# KiCad board SBC.kicad_pcb (continued)
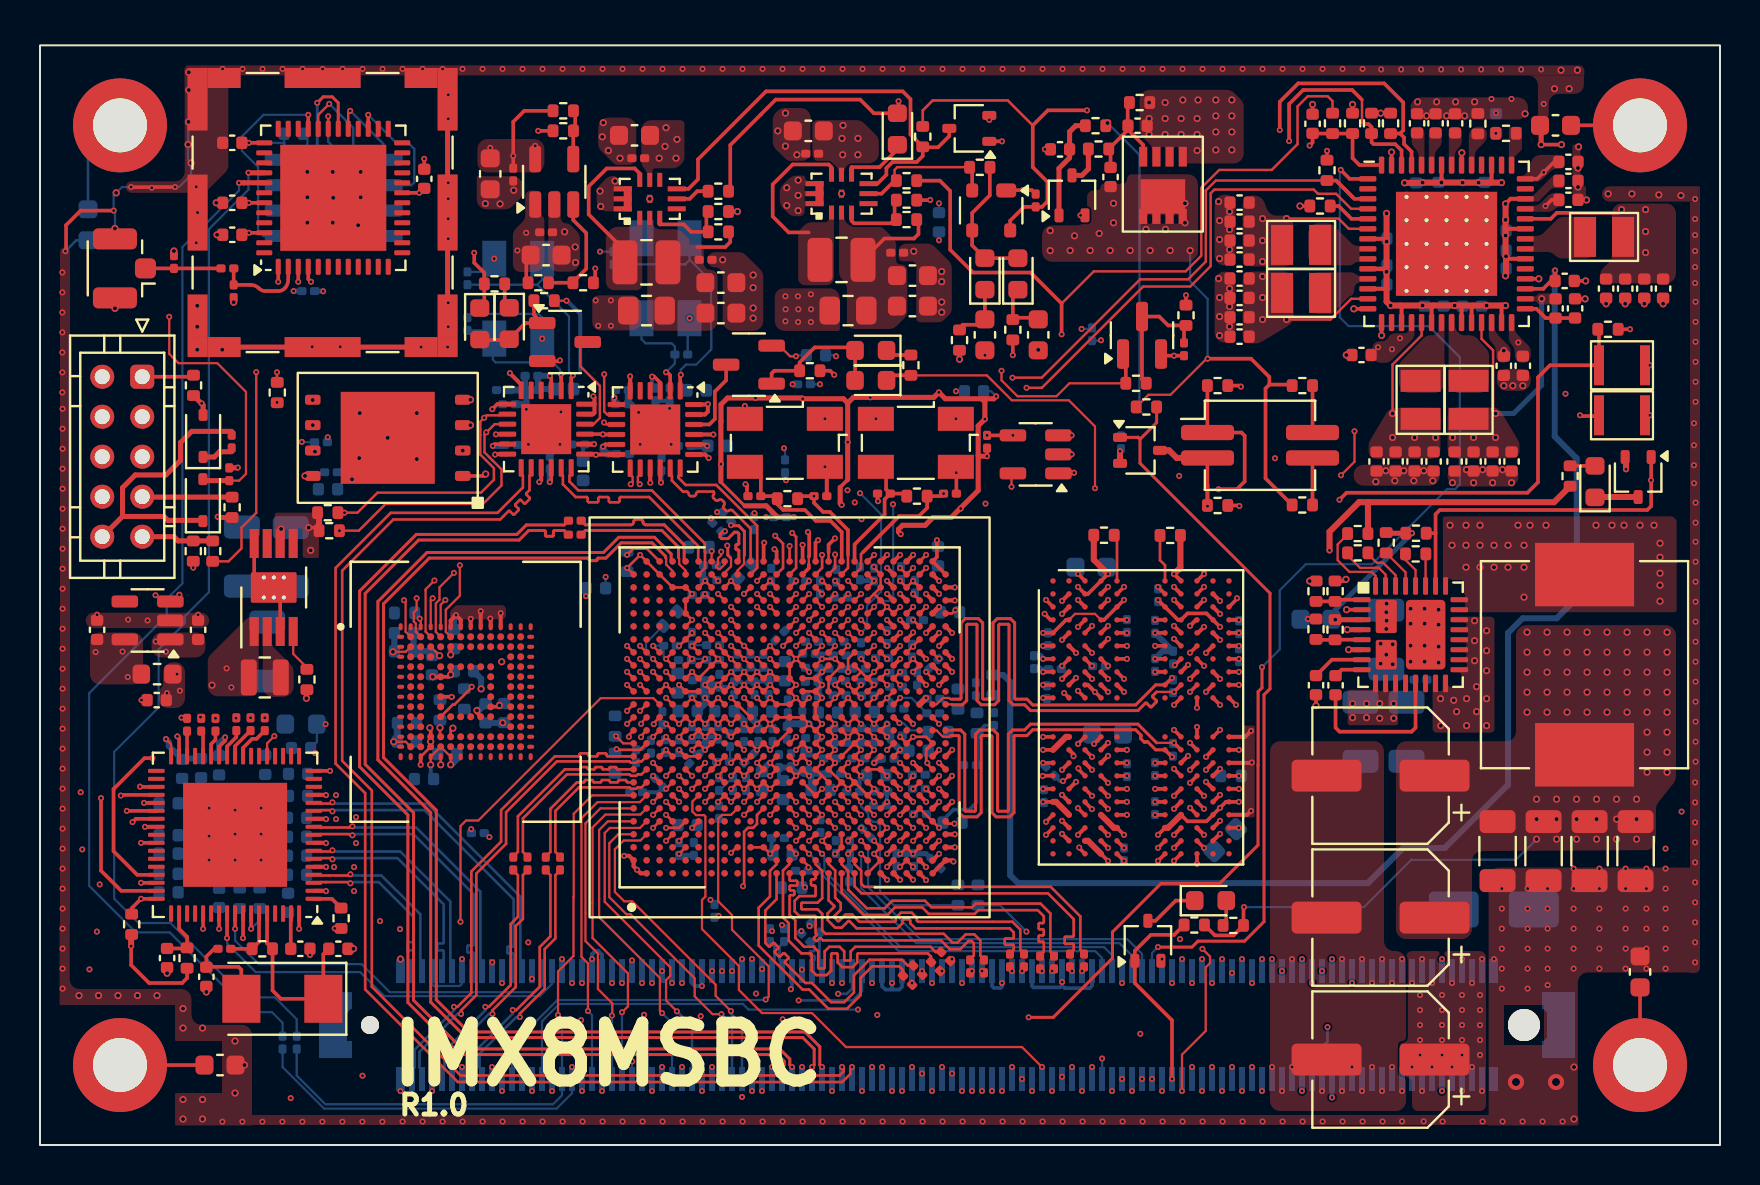
[diagram p0: board, top side]
## Nets (continued)
USB1_DN: J1.A36 U9.B14
USB1_DP: J1.A35 U9.A14
USB1_ID1: J1.A47 U9.C14
USB1_OC: J1.A45 U9.K6
USB1_PWR_EN: J1.A48 U9.L7
USB1_RX_N: C94.2 J1.A43
USB1_RX_P: C93.2 J1.A42
USB1_TX_N: C92.2 J1.A39
USB1_TX_P: C91.2 J1.A38
USB1_VBUS: J1.A46 U9.D14
USB2_DN: J1.B3 U9.B10
USB2_DP: J1.B2 U9.A10
USB2_ID1: J1.B13 U9.C9
USB2_OC: J1.B12 U9.J6
USB2_PWR_EN: J1.B15 U9.K7
USB2_RX_N: C100.2 J1.B9
USB2_RX_P: C99.2 J1.B8
USB2_TX_N: C98.2 J1.B6
USB2_TX_P: C97.2 J1.B5
USB2_VBUS: J1.B14 U9.D9
Net-(C17-Pad2): C17.2 U2.13
Net-(C57-Pad2): C57.2 C64.2 Q2.4 R16.2 R18.1
Net-(C288-Pad1): C288.1 H1.1
Net-(C289-Pad1): C289.1 H2.1
Net-(C290-Pad1): C290.1 H3.1
Net-(C291-Pad1): C291.1 H4.1
Net-(C328-Pad1): C328.1 R110.2 Y5.2
Net-(D2-K): D2.1 U7.7
Net-(D3-K): C81.2 D3.1 R32.1
Net-(D4-K): C82.2 D4.1 R33.1
Net-(D5-A): D5.2 R76.2
Net-(D5-K): D5.1 Q5.3
Net-(D6-A): D6.2 R77.2
Net-(D6-K): D6.1 Q6.3
Net-(D7-A): D7.2 D8.2 Q8.1 R85.2
Net-(D9-K): D9.1 J2.10 R89.2
Net-(D10-K): D10.1 R89.1
Net-(D11-A): D11.2 D12.2 Q9.1 R95.2
Net-(J2-Pin_1): J2.1 R91.2
Net-(J2-Pin_7): J2.7 R92.2
Net-(J2-Pin_9): J2.9 R93.2 R94.2
Net-(J3-In): C314.1 J3.1 L10.2
Net-(L6-Pad1): L6.1 U2.23 U2.24 U2.25 U2.P3
Net-(L8-Pad1): L8.1 U5.1 U5.9
Net-(L9-Pad1): L9.1 U7.1 U7.9
Net-(Q1-D): Q1.3 R18.2
Net-(Q1-G): C58.1 Q1.1 R17.2
Net-(R6-Pad1): R6.1 U2.30
Net-(R8-Pad2): R8.2 U2.28
Net-(R79-Pad2): R79.2 SW3.4
Net-(R81-Pad2): R81.2 SW3.3
Net-(U1A-SW1ALX): L1.1 U1.8 U1.9
Net-(U1A-SW1CLX): L2.1 U1.11
Net-(U1A-SW2LX): L3.1 U1.22
Net-(U1A-SW3ALX): L4.1 U1.35 U1.36
Net-(U1A-SW4LX): L5.1 U1.21
Net-(U1B-VHALF): C18.2 C19.1 U1.29
Net-(U1B-VSNVS): R42.2 U1.43
Net-(U1C-ICTEST): R12.2 U1.5
Net-(U1C-VCORE): C26.2 U1.49
Net-(U1C-VCOREDIG): C24.2 U1.51
Net-(U1C-VCOREREF): C25.2 U1.52
Net-(U1C-VDDOTP): R10.1 U1.47
Net-(U2-BST): C17.1 U2.8
Net-(U2-EN/PSV): R7.2 U2.29
Net-(U2-ENL): R5.2 U2.32
Net-(U2-FB): R3.1 R4.1 U2.1
Net-(U2-FBL): R1.1 R2.1 U2.5
Net-(U2-ILIM): R8.1 U2.27
Net-(U2-SS): C1.1 U2.7
Net-(U2-TON): R6.2 U2.31
Net-(U4-ADJ): R23.2 R24.2 U4.4
Net-(U4-EN): R19.1 R20.1 U4.3
Net-(U5-EN): R22.2 U5.5
Net-(U5-FB): R26.2 R27.1 U5.3
Net-(U5-OUT): C75.1 C76.1 C78.1 L8.2 R26.1 SH1.1 U5.2
Net-(U6-SW): L7.1 U6.2
Net-(U6-VSET): R21.1 U6.4
Net-(U7-FB): R30.2 R31.1 U7.3
Net-(U7-OUT): C83.1 C84.1 C86.1 L9.2 R30.1 SH2.1 U7.2
Net-(U9A-MIPI_VDD1): FB1.1 U9.E15 U9.F15
Net-(U9B-ZQ_): R35.1 U9.AA13
Net-(U9H-JTAG_MOD): R63.1 U9.U7
Net-(U9H-TEST_MODE): R62.1 U9.V7
Net-(U9J-HDMI_REXT): R41.1 U9.P1
Net-(U9K-PCIE1_RESREF): R36.1 U9.G25
Net-(U9K-PCIE2_RESREF): R38.1 U9.C25
Net-(U9L-MIPI_DSI_REXT): R40.1 U9.C17
Net-(U9M-USB1_RESREF): R37.2 U9.A11
Net-(U9M-USB2_RESREF): R39.2 U9.B11
Net-(U11-VDD): C212.1 R60.2 R61.2 U11.3
Net-(U12A-ODT_CA_A): R66.1 U12.G2
Net-(U12A-ODT_CA_B): R67.1 U12.T2
Net-(U12A-ZQ0): R68.1 U12.A5
Net-(U12A-ZQ1): R69.1 U12.A8
Net-(U13-VDDI): C277.1 C279.1 U13.C2
Net-(U15-VDD1.8_1): C294.1 C295.1 FB3.2 U15.11 U15.20
Net-(U15-VDDA1.8): C297.1 C299.1 C300.1 FB4.2 U15.3 U15.16
Net-(U16-VDD1.8_1): C303.1 C304.1 FB5.2 U16.11 U16.20
Net-(U16-VDDA1.8): C306.1 C308.1 C309.1 FB6.2 U16.3 U16.16
Net-(U17-REF_FILT): C310.2 U17.67
Net-(U17-REF_REXT): R96.1 U17.1
Net-(U17-REFCLK_SEL_0): R97.1 U17.62
Net-(U17-REFCLK_SEL_1): R98.1 U17.61
Net-(U17-RX_CLK): R101.2 U17.32
Net-(U17-RX_DV/RX_CTL): R102.2 U17.30
Net-(U17-RXD0): R103.2 U17.29
Net-(U17-RXD1): R104.2 U17.27
Net-(U17-RXD2): R105.2 U17.26
Net-(U17-RXD3): R106.2 U17.25

Pads without a net: J1 221 221.1 221.2 222 222.1 222.2; U1 2 16 33 41 44 46; U2 12 14; U3 4; U5 4 7; U6 7; U7 4; U9 A3 A19 A20 A21 A22 A23 AA12 AB10 AB12 AB14 AB15 AB16 AC10 AC11 AC12 AC13 AC15 AD15 AE11 AE13 AE15 B2 B3 B19 B20 B21 B22 B23 B24 C1 C2 C3 C4 C19 C20 C21 C22 C23 D1 D2 D3 D19 D20 D21 D22 E1 E2 E6 F1 F2 F3 F4 F6 F20 F21 G1 G2 G3 G4 G5 G6 G21 H1 H2 H3 H4 H5 H6 H11 H20 H21 J1 J2 J4 J5 J22 K1 K2 K4 K5 K19 K20 K21 K22 L1 L2 L4 L5 L19 L20 M4 M5 M19 M20 N4; U12 A1 A2 A11 A12 AA1 AA12 AB1 AB2 AB11 AB12 B1 B12 G11 K5 K8 N5 N8; U13 A1 A2 A12 A13 A14 B1 B7 B8 B9 B10 B11 B12 B13 B14 C1 C3 C5 C7 C8 C9 C10 C11 C12 C13 C14 D1 D2 D3 D4 D12 D13 D14 E1 E2 E3 E5 E7 E8 E9 E10 E12 E13 E14 F1 F2 F3 F10 F12 F13 F14 G1 G2 G3 G5 G10 G12 G13 G14 H1 H2 H3 H10 H12 H13 H14 J1 J2 J3 J5 J12 J13 J14 K1 K2 K3 K6 K7 K8 K10 K12 K13 K14 L1 L2 L3 L12 L13 L14 M1 M2 M3 M7 M8 M9 M10 M11 M12 M13 M14 N1 N3 N6 N7 N8 N9 N10 N11 N12 N13 N14 P1 P2 P7 P8 P9 P10 P11 P12 P13 P14; U15 4 5; U16 4 5; U17 15 16 18 19 20 21 23 24 31 35 36 43 45 46 47 52 54 55 57 65 66; U19 5 6 7 8 9 10 11 12 13 14 15 16 17 18 20 21 22 23 24 25 26 28 34 35 36 38 39 42 44 45 47 48

## Via types
v1: diameter 0.3, hole 0.15, T to B, 1416 vias
v2: diameter 0.36, hole 0.2, T to B, 423 vias
v3: diameter 0.8, hole 0.4, T to B, 2 vias

## Routing (per net, layer and track width the routed paths; a pad name or vN(x,y) marks a point on that pad's centre or on a via; arc(x,y) is an arc through that point)
3.3V_SW: length 72.8
  T w0.13: 49.64,51 48.39,52.25 44.63,52.25 44.14,51.75 R25.1 ; 41.38,24.64 v1(41.7,24.96)
  T w0.18: v1(48.65,35.49) v1(47.35,35.49) ; U8.4 48.51,46.23 49.2,46.92 C80.1 50.1,46.92 50.37,47.2 50.37,48.17 49.64,48.91 49.64,51 50.39,51.75 v1(52.35,51.75) ; R58.1 v1(64.35,49.73) ; R60.1 v1(57.3,42.5) ; v1(60.2,11.9) 60.17,11.87 R77.1 59.67,10.48 58.75,10.48 R78.1 ; R11.2 v2(65.63,52.05) ; R59.1 v1(79.5,40.8) ; U2.2 v2(65.33,26.77)
  T w0.2: U1.45 72.58,48.14 72.57,48.14 ; U1.7 67.27,45.32 67.33,45.39 ; 67.33,42.86 67.3,42.82 U1.12 ; U1.50 70.08,48.15 v2(70.07,48.14) ; U1.37 73.31,45.82 73.28,45.8 ; v2(73.28,47.07) 73.53,47.32 U1.40 ; v2(67.33,43.67) 67.18,43.82 U1.10 67.23,43.82 67.33,43.93 ; 73.3,44.23 73.4,44.32 U1.34 ; U1.24 71.58,41.93 71.63,41.99 ; 68.01,41.99 68.08,41.92 U1.17 ; 73.04,41.99 73.08,41.95 U1.27 ; U1.20 69.58,41.91 69.65,41.99 ; U1.23 71.08,41.95 71.04,41.99
  T w0.3: v2(67.33,46.6) v2(67.33,45.19) v2(67.33,43.67) 67.33,42.19 v2(67.53,41.99) 69.12,41.99 v2(69.13,41.99) 70.72,41.99 v2(70.73,41.99) v2(72.33,41.99) v2(73.28,41.99) 73.28,41.99 ; v2(68.23,48.12) 69.12,48.12 v2(69.13,48.14) 70.07,48.14 v2(70.07,48.14) 71.12,48.14 v2(71.13,48.14) v2(71.93,48.14) v2(73.08,48.14) ; v2(73.28,43.47) 73.3,43.5 v2(73.3,44.45) 73.28,44.47 v2(73.28,45.49) v2(73.28,46.27) v2(73.28,47.07)
  B w0.11: v2(74.83,15.3) 73.8,14.27 68.57,14.27 66.2,11.9 v1(60.2,11.9)
  vias: v2(55.46,52.14) v2(55.46,51.34) v2(55.46,50.54) v2(56.26,52.14) v2(56.26,51.34) v2(56.26,50.54) v2(57.06,51.34) v2(57.06,50.54) v2(57.14,52.27) v2(57.86,51.34) v2(57.86,50.54) v2(57.86,49.74) v2(57.9,52.27) v2(58.79,52.27) v2(58.79,51.47) v2(58.79,50.67) v2(58.79,49.77) v2(59.59,52.27) v2(59.59,51.47) v2(59.59,50.67) v2(59.59,49.77) v2(63.48,28.21) v2(74.35,25.65) v2(74.35,24.65) v2(74.35,23.65) v2(74.35,22.65) v2(74.35,21.65) v2(74.83,17.3) v2(74.83,16.3) v2(75.35,25.65) v2(75.35,24.65) v2(75.35,23.65) v2(75.35,22.65) v2(75.35,21.65) v2(75.83,17.3) v2(75.83,16.3) v2(75.83,15.3) v2(76.35,25.65) v2(76.35,24.65) v2(76.35,23.65) v2(76.35,22.65) v2(76.35,21.65) v2(76.83,17.3) v2(76.83,16.3) v2(76.83,15.3) v2(77.35,25.65) v2(77.35,24.65) v2(77.35,23.65) v2(77.35,22.65) v2(77.35,21.65) v2(77.83,17.3) v2(77.83,16.3) v2(77.83,15.3) v2(78.35,25.65) v2(78.35,24.65) v2(78.35,23.65) v2(78.35,22.65) v2(78.35,21.65) v2(78.83,17.3) v2(78.83,16.3) v2(78.83,15.3) v2(79.35,25.65) v2(79.35,24.65) v2(79.35,23.65) v2(79.35,22.65) v2(79.35,21.65) v2(79.83,17.3) v2(79.83,16.3) v2(79.83,15.3) v2(80.35,25.65) v2(80.35,24.65) v2(80.35,23.65) v2(80.35,22.65) v2(80.35,21.65) v2(80.35,20.65) v2(80.35,19.65) v2(80.35,18.65) v2(81.35,25.65) v2(81.35,24.65) v2(81.35,23.65) v2(81.35,22.65) v2(81.35,21.65) v2(81.35,20.65) v2(81.35,19.65) v2(81.35,18.65)
3.3V_SW_DELAYED: length 56.6
  T w0.11: v1(58.38,39.33) 58.33,39.33 56.52,37.53 55.42,37.53 R84.1 ; v1(10.45,45.63) 10.19,45.63 ; v1(10.45,47.13) C317.1
  T w0.13: U9.F5 v1(32.6,15.86) ; 41.38,15.54 v1(41.05,15.86) ; U9.R5 v1(39.1,16.51) U9.R6 ; U9.E3 v1(31.95,14.56) ; U9.M3 36.51,14.57 v1(36.5,14.57) 36.5,14.57 U9.L3 U9.K3 ; 34.88,17.49 v1(34.55,17.16) U9.H7 v1(33.9,17.16) ; U9.L18 v1(36.5,24.96) U9.M18 ; U9.D8 v1(31.3,17.81)
  T w0.18: 24.31,43.13 24.31,44.3 ; v2(19.63,23.42) U13.F5 20.43,23.42 v2(20.53,23.52) U13.E6 ; v1(10.45,45.63) U19.46 ; v1(12.91,43.18) U19.3 ; U1.55 v2(67.58,49.66) ; 61.47,38.03 61.47,38.41 60.55,39.33 v1(58.38,39.33) ; 61.47,38.03 61.28,37.84 61.28,33.34 R81.1 ; 61.47,38.03 62.56,38.03 ; R14.1 R15.1 ; C312.1 v1(10.45,50.13) U19.37 ; U19.4 13.41,43.32 v1(13.55,43.18) ; U19.19 v1(18.96,47.63) 18.99,47.63 C315.1 ; v2(13.43,30.88) 13.95,30.88 ; v1(4.56,9.95) 4.56,9 5.45,8.1 7.1,8.1 7.35,8.35 R107.1 ; v1(10.45,47.13) U19.43 ; U13.J10 22.9,21.92 v2(22.97,21.99) ; v1(11.91,43.18) U19.1 ; v2(21.85,21.73) 21.85,21.62 22.03,21.44
  T w0.25: R91.1 8.15,37.01 D10.2
  T w0.3: v1(4.56,9.95) 4.56,10.5 ; R87.1 13.95,31.55
  B w0.11: v1(58.38,39.33) 58.38,42.32 57.51,43.19 v2(57.51,44.74) ; U18.8 12.21,50.13 v1(10.45,50.13) ; 36.77,25.23 v1(36.5,24.96) ; 12.21,50.57 12.21,49.3 ; C138.1 14.37,35.38 v1(14.39,35.4) ; v1(22.47,15.4) 22.41,15.4 C144.1
  B w0.2: C128.1 36.58,14.59 ; C143.1 30.92,17.64 C137.1
  B w0.25: v1(31.95,14.56) 32.03,14.49 C129.1 ; v1(14.16,42.7) 14.15,42.71 C145.1
  B w0.3: C285.1 21.94,21.73 v2(21.85,21.73)
  vias: v1(5.78,27.5) v1(5.78,25.18) v1(6.29,24.68) v1(6.97,27.52) v1(8.08,37.1) v1(23.87,44.74) v1(24.31,45.63) v2(12.05,30.81) v2(13.25,33.47) v2(13.53,29.75) v2(30.49,47.33) v2(30.96,49.36) v2(31.25,49.95) v2(31.3,50.88) v2(31.85,50.3) v2(31.8,49.36) v2(40.08,47.58) v2(40.15,51) v2(40.1,50.35) v2(40.13,49.53) v2(40.9,50.35) v2(40.89,49.53) v2(50.51,45.73) v2(50.51,44.73) v2(51.51,44.74) v2(51.73,45.48) v2(52.51,44.74) v2(52.96,45.59) v2(53.51,44.74) v2(53.68,47.1) v2(53.68,46.13) v2(54.51,44.74) v2(55.3,45.8) v2(55.51,44.74) v2(56.27,45.8) v2(56.51,44.74) v2(57.25,47.1) v2(57.25,46.13) v2(67.04,51.61)
/IO/VDD1A: length 2
  T w0.18: U17.68 v1(12.95,10.81)
  T w0.2: v1(14.3,17.5) 14.29,17.51 U17.14 ; v1(14.3,13.91) 14.3,13.91 U17.5
  vias: v1(6.35,22.6) v1(6.85,23.55) v1(7,22.72)
/IO/VDDMDIO: length 0.8
  T w0.18: U17.49 v1(5.05,13.11)
/MPU/VDDA_0P9: length 1.8
  T w0.13: U9.V18 40.41,24.32 v1(40.41,23.67)
  B w0.2: v1(40.41,23.67) 40.38,23.69
  B w0.3: 40.59,23.85 v1(40.41,23.67) 40.25,23.82 FB2.1
GND: length 356
  T w0.11: 36.97,39.98 37.5,39.45 v1(37.8,39.45) ; v2(19.53,19.02) U13.P4 U13.N5 U13.P6 v2(20.53,19.02) ; U9.Y23 U9.Y24 ; 44.35,19.86 44.31,19.82 44.31,19.17 ; v2(17.69,20.17) 18.28,20.17 U13.N2 ; U12.D2 51.75,26.57 52.75,26.57 U12.D4 ; U13.C4 v2(19.98,24.47)
  T w0.13: v1(43,20.41) U9.AB11 v1(43.65,20.41) 44.3,20.41 U9.AD11 44.31,19.77 44.31,19.17 v1(44.37,19.11) 44.37,19.05 U9.AD9 ; v1(34.55,25.61) v1(35.2,24.96) U9.K18 ; v1(43,28.86) U9.AB24 v1(43.65,28.86) ; 41.38,13.59 U9.Y2 v1(41.7,14.56) U9.Y3 v1(41.7,15.21) ; U9.T14 v1(39.75,22.36) U9.U15 v1(39.75,23.01) U9.U16 ; U9.N12 U9.M11 v1(36.5,19.76) U9.L11 v1(35.85,19.76) U9.K11 ; U9.K17 v1(35.2,24.31) v1(34.55,24.96) ; 41.38,19.44 v1(41.7,19.76) 41.38,20.09 ; 41.38,29.19 v1(41.7,29.51) ; v1(45.77,26.76) 45.6,26.59 U9.AE21 ; U9.U8 U9.T9 v1(39.75,19.11) U9.T10 v1(39.75,19.76) U9.T11 v1(39.75,20.41) U9.T12 v1(39.75,21.06) U9.T13 ; U9.U8 v1(40.4,17.81) U9.V8 ; U9.U8 v1(39.75,17.81) ; v1(43,26.91) U9.AA21 v1(42.35,26.91) ; U9.N3 v1(37.8,14.56) ; U9.G24 v1(33.9,28.21) ; 34.88,21.39 v1(34.55,21.06) U9.H13 v1(33.9,21.06) U9.G13 v1(33.25,21.06) U9.F13 v1(32.6,21.06) U9.E13 v1(31.95,21.06) U9.D13 ; v1(39.1,17.81) U9.R7 U9.P8 ; U9.A24 v1(29.35,28.86) v1(30,29.51) U9.B25 U9.C24 U9.D23 U9.E23 v1(32.6,27.56) U9.E22 U9.E21 v1(32.6,26.26) U9.E20 ; 41.38,17.49 v1(41.7,17.16) ; 41.38,17.49 v1(41.7,17.81) ; 41.38,17.49 U9.V8 ; U9.C15 v1(31.3,23.01) U9.D15 ; v1(43,23.66) U9.AA16 v1(43,23.01) ; v1(41.7,17.81) 41.38,18.14 ; v1(41.7,17.81) U9.Y7 ; U9.C10 v1(31.3,19.76) U9.D10 ; U9.E14 v1(32.6,22.36) U9.F14 ; U9.V8 v1(40.4,18.46) U9.U9 v1(40.4,19.11) ; 41.38,23.34 v1(41.7,23.01) 41.38,22.69 ; 41.38,23.34 v1(41.7,23.66) U9.Y17 v1(41.7,24.31) ; 41.38,23.34 41.05,23.66 ; U9.T3 v1(39.1,15.21) U9.T4 ; v1(37.8,22.36) U9.P14 v1(38.45,22.36) ; v1(37.8,22.36) U9.N15 v1(37.8,23.01) U9.N16 U9.N17 v1(37.8,24.31) ; v1(37.8,22.36) U9.N14 U9.M14 v1(36.5,22.36) U9.L14 v1(35.85,22.36) ; v1(33.9,19.11) U9.G9 v1(33.25,18.46) ; v1(33.9,19.11) U9.G10 ; v1(33.9,19.11) U9.H10 ; U9.V23 v1(40.4,28.21) ; v1(42.35,26.91) U9.Y22 41.7,27.56 ; v1(42.35,26.91) U9.Y21 ; v1(38.45,23.66) U9.P17 v1(37.8,24.31) ; U9.AD13 v1(44.95,21.06) ; U9.AB9 v1(43,19.11) ; v1(38.45,19.76) U9.P11 v1(37.8,19.76) ; U9.V4 v1(40.4,15.21) ; 41.7,27.56 U9.Y23 ; 41.7,27.56 41.38,27.24 ; 34.83,14.89 v1(34.55,14.61) ; v1(33.9,24.31) U9.G18 ; v1(33.9,24.31) U9.H17 ; v1(33.9,24.31) U9.G17 U9.F16 v1(32.6,23.66) U9.E16 ; U9.AC4 v1(43.65,15.21) ; U9.Y24 41.69,28.88 v1(41.69,28.92) ; v1(30.69,21.05) 30.69,21.1 U9.C13 ; U9.K13 v1(34.55,22.36) ; v1(43,13.91) U9.AB2 v1(43.65,13.91) ; U9.L17 v1(35.85,24.31) ; 41.05,23.66 U9.V17 ; 41.05,23.66 U9.V16 ; U9.Y13 v1(41.7,21.06) 41.38,21.39 ; v1(11.85,38.65) 11.85,38.16 ; v1(34.55,17.81) 34.88,18.14 v1(35.2,17.81) U9.K8 v1(35.85,17.81) U9.L8 v1(36.5,17.81) U9.M8 ; U9.K23 35.21,27.57 v1(35.2,27.57) ; U9.AA5 v1(43,15.86) ; U9.AE5 45.39,16.08 v1(45.72,16.08) ; 41.38,20.74 v1(41.7,20.41) U9.Y11 ; U9.AD16 v1(44.3,23.66) ; 41.38,18.79 U9.Y9 v1(42.35,18.46) ; U9.Y19 v1(42.35,24.96) ; v1(37.8,24.31) U9.N18 ; v1(37.8,24.31) U9.P18 v1(38.45,24.96) ; U9.H9 v1(33.9,18.46) U9.H8 ; U9.U18 v1(40.4,24.96) ; U9.P6 v1(38.45,16.51) ; U9.Y5 v1(42.35,15.86) U9.Y4 ; U9.Y15 v1(41.7,22.36) 41.38,22.04 ; v1(32.6,25.61) U9.E19 v1(31.95,24.96) ; 34.88,20.74 v1(34.55,20.41) U9.H12 ; U9.C8 v1(30.65,18.46) ; U9.AD7 v1(44.3,17.81) ; U9.E4 v1(31.95,15.21) ; U9.M17 v1(36.5,24.31) ; v1(31.95,19.76) U9.E10 U9.F10 ; v1(33.9,24.96) U9.H18 v1(34.55,24.31) 34.88,23.99 ; U9.AB18 43.61,24.93 v1(43.65,24.93) 43.65,24.96 U9.AC19 ; U9.P23 v1(38.45,28.21) ; 34.88,20.09 v1(35.2,19.76) ; U9.AC22 v1(43.65,27.56)
  T w0.15: 34.04,33.18 34.04,33.16 35.23,31.97 35.25,31.97
  T w0.18: U12.K2 v1(51.21,22.61) ; U12.C1 v1(50.3,27.26) ; U12.C12 59.85,27.31 v1(59.85,27.35) ; v1(6.75,47.91) v1(4.55,47.91) ; 50.64,18.48 50.23,18.48 50.22,18.46 v1(50.13,18.46) ; C149.2 41.88,32.22 v1(41.9,32.2) ; U12.T10 v1(57.5,18.11) ; 48.32,47.76 v1(49.15,47.76) 49.59,47.76 C80.2 ; v2(76.07,50.04) v2(75.06,50.04) ; U12.AB5 v1(54.2,14.21) ; U12.A3 v1(51.9,28.56) ; R12.1 v2(63,46.97) ; 25.56,50.73 v1(24.91,50.73) ; U12.J10 v1(57.5,22.66) ; U12.Y12 v1(59.94,15.86) ; v1(44.51,47.27) 44.5,47.26 43.92,47.26 ; v1(35.24,36.97) Y1.2 ; v1(50.16,25.61) U12.E1 51.3,26.26 U12.D2 ; v1(35.27,33.05) 35.35,32.98 35.35,32.5 ; 40.01,32.9 40.38,33.28 ; U12.K9 v1(56.7,22.01) ; U1.48 71.08,49.61 v2(71.09,49.62) ; v1(51.96,14.88) 51.96,14.85 U12.AB3 ; C315.2 v1(19.21,49.33) ; v2(65.3,28.29) 65.22,28.21 R3.2 ; v1(9.13,53.82) 9.15,53.81 ; U12.V5 v1(54.34,17.16) ; U12.G8 v1(55.76,24.31) ; 7.56,49.11 v2(7.55,49.11) ; v1(52.75,22.66) 52.75,22.66 U12.K4 ; U12.E5 v1(54.34,25.61) ; U9.AE24 U9.AD25 44.85,29.41 v1(44.85,30.25) ; C212.2 56.13,39.48 ; U12.P10 v1(57.5,20.11) ; U12.G3 v1(52.6,23.96) ; R82.2 59.94,31.99 v1(59.97,31.96) ; U12.G10 v1(58.2,23.96) ; U12.D4 53.2,26.26 U12.C5 v1(54.2,27.26) ; U16.21 28.13,35.56 v1(28.14,35.55) ; 12.01,27.56 U6.3 ; U12.Y1 v1(50.3,15.51) ; v1(55.9,27.26) U12.C8 56.9,26.26 U12.D9 57.38,26.59 58.32,26.59 U12.D11 v1(59,25.91) ; v1(60.05,37.93) 59.99,37.98 R80.2 ; U12.G5 v1(54.34,24.31) ; U1.15 v2(67.08,40.49) ; U6.8 10.71,27.86 ; v1(3.68,46.74) 2.03,46.74 1.3,46.01 1.3,44.74 v1(1.27,44.7) ; U12.P3 v1(52.6,19.41) ; U12.J1 v1(50.16,23.01) ; U12.N9 v1(56.7,20.76) ; U12.T5 v1(54.34,18.46) ; U12.W9 57.38,16.19 58.32,16.19 U12.W11 v1(59,16.86) 59.3,17.16 U12.V12 v1(59.94,17.16) ; 24.74,39.2 25.94,39.2 25.98,39.24 v1(26,39.24) ; C62.2 v2(77.28,43.22) ; U12.Y8 v1(55.9,15.51) ; U12.V1 v1(50.16,17.16) ; U1.32 v2(74.94,43.32) ; U12.T3 51.96,18.75 51.96,18.8 v1(51.92,18.84) ; U12.AB8 v1(55.9,14.21) ; U12.E8 v1(55.76,25.61) ; U12.G12 v1(59.94,24.31) ; U12.Y5 v1(54.2,15.51) ; v2(77.25,42.32) 76.76,42.32 ; U12.P1 v1(50.16,19.76) ; U12.J12 v1(59.94,23.01) ; C1.2 v2(63.8,21.98) ; U12.A10 v1(58.2,28.56) ; U12.N11 v1(59,20.76) ; U12.G1 v1(50.16,24.31) ; C163.2 45.82,33.9 ; U12.T8 v1(55.76,18.46) ; C150.2 47.35,34.45 v1(47.35,34.45) ; U12.E12 v1(59.94,25.61) ; U12.P12 v1(59.94,19.76) ; U1.14 v2(65.69,41.82) ; U12.AB10 v1(57.85,14.07) ; U9.AD11 44.4,19.86 ; U12.V8 v1(55.76,17.16) ; U17.56 v1(8.15,10.81) ; U12.T12 v1(59.94,18.46) ; v2(77.33,47.27) 76.91,47.27 ; C49.2 v2(63.63,52.05) ; U12.N4 v1(52.7,20.06) ; U12.K11 v1(59,22.01)
  T w0.2: U16.12 22.77,34.56 v1(22.75,34.54) ; U13.A10 22.53,26.31 v1(22.52,26.33) ; U13.A9 v1(22.03,26.7) ; U15.24 33.38,37.04 v1(33.39,37.06) 33.39,36.69 33.25,36.54 U15.23 ; v1(33.43,34.37) 33.26,34.54 U15.19 ; U16.10 22.8,35.56 v1(22.79,35.55) ; v1(28.14,35.55) 28.15,35.54 U15.10 ; U12.J3 52.4,23.01 v1(52.75,22.66) ; v1(24.96,33.17) 25.06,33.26 U16.15 ; v1(45.67,14.18) 45.61,14.24 U9.AE2 U9.AD1 ; U15.6 29.51,38.44 v1(29.5,38.45) ; 24.06,38.04 v1(23.49,38.61) ; v1(29.2,14.46) 29.45,14.46 U9.A2 29.68,13.94 v1(29.85,13.76) 30.03,13.59 U9.B1 ; U16.23 27.65,36.56 27.72,36.62 27.72,37.06 ; 27.72,37.06 27.72,37.39 v1(27.66,37.45) ; 27.72,37.06 U16.24 ; U13.A8 v1(21.53,26.32) ; U15.15 30.51,33.13 v1(30.51,33.13) ; C160.2 39.34,33.82 ; U13.A7 21.03,26.27 v1(20.8,26.5) 20.53,26.23 U13.A6 ; v1(33.67,35.54) 33.67,35.54 U15.21 ; U15.12 27.81,34.54 v1(27.79,34.53) 27.76,34.56 U16.19 ; U13.A11 v1(23.03,26.6)
  T w0.25: C173.2 9.88,33.87 v1(9.89,33.88) ; 41.38,37.4 44.7,37.4 44.94,37.64 v1(44.94,37.65) 44.94,37.65 45.26,37.33 47.08,37.33 ; 41.38,37.4 40.67,37.4 40.38,37.11 ; 41.38,37.4 v1(41.51,37.4) ; v2(13.32,22.34) 13.32,22.75 ; 35.25,31.97 36.31,31.97 36.88,31.4 v1(37.7,31.4) ; 40.38,37.11 40.17,37.33 v1(38.13,37.33) 38.09,37.37 v1(35.77,37.37) 34.37,37.37 34.05,37.04 34.05,36.19 34.04,36.18 v1(34.04,34.06) 34.04,33.18 ; 40.38,37.11 v1(40.38,35.16) 40.38,33.28 ; v1(8.88,31.43) 8.92,31.39 R92.1 ; v1(47.81,37.45) 47.69,37.33 47.08,37.33 ; 15.03,39.91 v1(19.05,39.91) ; 47.08,37.33 47.24,37.17 v1(47.24,36.31) 46.91,35.97 46.91,34.49 ; 46.91,34.49 46.95,34.45 v1(47.35,34.45) ; 46.91,34.49 46.91,32.74 45.55,31.39 44.64,31.39 44.25,31 43.12,31 42.92,30.8 42.92,30.67 v1(43.03,30.56) ; v2(45.97,39.3) R33.2 ; v2(34.87,46.69) R27.2 ; v1(40.08,32.02) 40.01,32.09 40.01,32.9 ; v1(63.39,26.31) R2.2 ; 20.38,48.16 J4.1 ; 13.6,39.91 J4.1 ; U2.4 65.36,25.77 v2(65.36,25.78) ; J4.1 J4.1 ; v1(51.7,33.63) 50.95,33.63 ; v2(75.06,50.04) 75.06,50.94
  T w0.3: Q7.2 v1(54,34.7) ; U12.P1 51.3,20.41 U12.N2 ; U12.W9 56.4,15.86 U12.Y8 ; v1(79.3,33.8) 79.3,34.37 ; U12.W4 53.7,15.86 U12.Y5 ; U12.V1 50.8,17.16 U12.W2
  IN6 w0.11: v1(82.75,9.14) 82.44,8.82 v1(81.28,8.82) 81.26,8.8 76.4,8.8 75.8,8.2 v3(75.8,3.15) 76.13,2.82 v1(76.13,1.17) v1(75.13,1.17) ; v1(82.75,47.31) 82.75,47.75 82.65,47.85 77.74,47.85 77.33,48.27 77.33,52.38 75.91,53.8 v1(75.06,53.8)
  IN6 w0.2: v2(7.55,49.11) 7.55,52.9 8.48,53.82 v1(9.13,53.82)
  B w0.11: C144.2 21.57,15.79 v1(21.56,15.8) ; v1(13.09,35.17) 13.11,35.15 C138.2 ; C174.2 37.85,39.5 v1(37.8,39.45) ; v1(52.08,40.82) 52.55,40.82 ; C290.2 3.15,45.25 v2(3.75,45.85) 3.75,46.67 v1(3.68,46.74) 3.68,47.5 v2(3.81,47.63) 4.1,47.91 v1(4.55,47.91) 4.59,47.88 v1(5.59,47.88) 5.62,47.91 v1(6.75,47.91) 6.96,47.91 7.55,48.51 v2(7.55,49.11) 7.4,49.26 v2(7.4,50.04) 7.42,50.06 v2(7.42,51.17) 7.44,51.19 v2(7.44,52.77) v2(7.44,53.66) ; C192.1 v1(37.7,31.4) ; v1(28.28,28.41) 28.28,27.85 ; C293.2 32.39,41.26 ; C131.1 47.56,37.7 v1(47.81,37.45) ; v1(28,44.69) C292.2 ; 13.37,50.37 v2(13.37,48.67) ; v1(25.11,40.33) 25.11,41.39 24.93,41.57 21.56,41.57 C302.2 ; v1(37.3,33.25) 37.25,33.3 C201.2 ; C252.1 v1(39,38.05) ; J1.A7 21.1,8.07 20.98,7.95 19.7,7.95 19.6,8.05 J1.A4 ; 22.45,43.67 C301.2 ; 16.45,45.47 v2(15.91,46.01) ; C155.2 v1(44.95,47.1) ; 28.79,44.8 29.53,44.8
  B w0.13: C290.2 1.82,45.25 v1(1.27,44.7)
  B w0.18: v1(37.54,7.79) 37.6,7.85 J1.A40 ; J1.A31 33.1,7.96 v1(33.09,7.96) 32.73,7.96 32.6,8.09 J1.A30 ; 42.51,7.78 42.67,7.78 ; 42.51,7.78 42.26,7.78 42.1,7.94 J1.A49 ; 42.51,7.78 42.59,7.85 42.6,7.85 ; 42.67,7.78 42.6,7.85 ; 42.67,7.78 42.96,7.78 43.1,7.91 J1.A51 ; v1(51.1,8.16) 51.1,7.98 51.01,7.89 49.66,7.89 49.6,7.95 J1.A64 ; 42.6,7.85 J1.A50 ; J1.A61 48.1,7.92 48.03,7.86 47.69,7.86 47.6,7.95 J1.A60 ; J1.A70 52.6,7.96 52.48,7.85 51.23,7.85 51.1,7.98 J1.A67
  B w0.2: v1(31.48,36.85) C299.2 C297.2 ; 31.83,35.04 v1(31.56,35.04) 31.07,34.56 C300.2 ; 19.76,18.32 19.53,18.55 v2(19.53,19.02) ; J1.A20 27.6,9.54 27.75,9.7 27.91,9.7 28.1,9.51 J1.A21 ; C303.2 26,35.04 v1(25.99,35.04)
  B w0.25: C145.2 v1(12.68,42.71)
  B w0.3: C285.2 23.12,21.11 ; C272.1 56.13,24.7 C267.1 ; v2(22.05,22.81) 22.05,23.33 C281.2 ; v1(24.42,35.04) 24.39,35.02 C304.2 ; 25.49,34.54 v1(25.99,35.04) ; C253.2 50,24.47 v1(50.16,24.31) ; C277.2 C279.2 19.38,24.7 C287.2 ; C308.2 C309.2 24.32,37.7 v1(24.32,36.8) ; v1(20.8,26.5) 20.7,26.4 C282.2 ; 56.65,24.7 C258.2
  B w0.35: C307.2 24.32,37.05 ; C280.2 17.86,21.09 ; v1(30.01,35.04) 29.53,34.56 C294.2 ; v2(20.53,19.02) 20.85,19.34 C284.2 ; C305.2 C296.2 29.53,37.05 v1(29.93,36.64) ; C298.2 C309.2
  vias: v1(1.12,43.64) v1(1.12,42.64) v1(1.12,41.64) v1(1.12,40.64) v1(1.12,39.64) v1(1.12,38.64) v1(1.12,37.64) v1(1.13,36.82) v1(1.13,35.82) v1(1.13,34.82) v1(1.13,33.82) v1(1.13,32.82) v1(1.13,31.82) v1(1.13,30.82) v1(1.13,29.82) v1(1.13,28.82) v1(1.13,27.82) v1(1.13,26.82) v1(1.13,25.82) v1(1.13,24.82) v1(1.13,23.82) v1(1.13,22.82) v1(1.13,21.82) v1(1.13,20.82) v1(1.13,19.82) v1(1.13,18.82) v1(1.13,17.82) v1(1.13,16.82) v1(1.13,15.82) v1(1.13,14.82) v1(1.13,13.82) v1(1.13,12.82) v1(1.13,11.82) v1(1.13,10.82) v1(1.13,9.82) v1(1.13,8.82) v1(1.13,7.82) v1(2.03,17.65) v1(2.11,14.79) v1(2.47,8.79) v1(2.85,26.53) v1(2.84,10.68) v1(2.98,13.04) v1(4.4,26.28) v1(5.07,22.25) v1(5.38,26.24) v1(7.66,28.88) v1(7.81,47.93) v1(7.88,46.64) v1(7.81,45.13) v1(7.9,26.53) v1(8.45,16.85) v1(8.45,15.45) v1(8.45,14.25) v1(9.12,1.17) v1(9.75,16.75) v1(9.75,15.55) v1(9.75,14.25) v1(10.13,53.82) v1(10.12,1.17) v1(11.05,16.85) v1(11.05,15.55) v1(11.05,14.25) v1(11.13,53.82) v1(11.12,1.17) v1(12.13,53.82) v1(12.12,1.17) v1(12.53,2.35) v1(13.13,53.82) v1(13.12,1.17) v1(13.5,9.5) v1(13.61,39.93) v1(14.13,53.82) v1(14.12,1.17) v1(14.7,13.9) v1(14.73,10.83) v1(14.8,17.5) v1(14.8,16.3) v1(15.01,39.93) v1(15.13,53.82) v1(15.12,1.17) v1(15.7,13.9) v1(15.7,12.7) v1(15.8,16.4) v1(15.8,15.1) v1(16.13,53.82) v1(16.12,3.47) v1(16.12,1.17) v1(17,11.2) v1(17.13,53.82) v1(17.12,1.17) v1(18,10.8) v1(18.02,2.7) v1(18.13,53.82) v1(18.13,1.17) v1(19.13,53.82) v1(19.13,1.17) v1(19.6,2.7) v1(20.13,53.82) v1(20.13,1.17) v1(20.38,39.91) v1(20.41,52.53) v1(20.41,51.33) v1(20.41,48.13) v1(20.41,47.33) v1(20.41,46.33) v1(20.41,45.33) v1(20.41,42.13) v1(20.41,40.93) v1(21.13,53.82) v1(21.1,9.3) v1(21.1,3.9) v1(21.13,1.17) v1(22.13,53.82) v1(22.13,1.17) v1(22.61,9.14) v1(22.6,3.9) v1(22.71,44.33) v1(23.13,53.82) v1(23.1,8.1) v1(23.1,2.7) v1(23.13,1.17) v1(24.13,53.82) v1(24.13,1.17) v1(24.41,10.14) v1(24.59,8.32) v1(25.13,53.82) v1(25.13,1.17) v1(25.6,2.7) v1(26.05,36.67) v1(26.13,53.82) v1(26.1,9.3) v1(26.13,1.17) v1(27.05,6.25) v1(27.13,53.82) v1(27.1,2.7) v1(27.13,1.17) v1(27.6,9.3) v1(28.13,53.82) v1(28.1,2.7) v1(28.13,1.17) v1(29.13,53.82) v1(29.13,1.17) v1(29.6,9.24) v1(30.13,53.82) v1(30.1,3.9) v1(30.13,1.17) v1(30.2,6.52) v1(30.6,2.7) v1(31.13,53.82) v1(31.1,8.7) v1(31.13,1.17) v1(32.13,53.82) v1(32.13,1.17) v1(32.48,41.35) v1(33.03,6.45) v1(33.13,53.82) v1(33.1,2.7) v1(33.13,1.17) v1(33.52,12.26) v1(34.13,53.82) v1(34.13,1.17) v1(34.6,8.7) v1(35.13,53.82) v1(35.1,2.4) v1(35.13,1.17) v1(35.6,2.7) v1(35.8,7.58) v1(36.13,53.82) v1(36.1,8.8) v1(36.1,2.7) v1(36.13,1.17) v1(36.6,3.9) v1(37.13,53.82) v1(37.13,6.29) v1(37.13,1.17) v1(38.13,53.82) v1(38.09,8.78) v1(38.1,3.9) v1(38.13,1.17) v1(39.13,53.82) v1(39.13,1.17) v1(39.24,33.92) v1(39.6,8.1) v1(39.6,2.7) v1(40.13,53.82) v1(40.13,1.17) v1(41.13,53.82) v1(41.1,2.7) v1(41.13,1.17) v1(41.79,36.32) v1(41.86,6.51) v1(42.13,53.82) v1(42.13,1.17) v1(42.6,8.1) v1(42.6,2.7) v1(43.13,53.82) v1(43.1,2.7) v1(43.13,1.17) v1(44.13,53.82) v1(44.13,1.17) v1(44.6,8.1) v1(44.6,2.7) v1(45.13,53.82) v1(45.13,1.17) v1(45.81,33.63) v1(46.03,31.84) v1(46.13,53.82) v1(46.1,8.1) v1(46.1,2.7) v1(46.13,1.17) v1(47.13,53.82) v1(47.13,1.17) v1(47.47,51.27) v1(47.6,2.7) v1(48.13,53.82) v1(48.1,8.1) v1(48.1,2.7) v1(48.13,1.17) v1(49.13,53.82) v1(49.13,1.17) v1(49.6,2.7) v1(50.13,53.82) v1(50.13,1.17) v1(50.24,49.8) v1(51.13,53.82) v1(51.1,3.41) v1(51.13,1.17) v1(51.58,35.49) v1(51.58,34.54) v1(52.02,46.5) v1(52.13,53.82) v1(52.13,1.17) v1(52.6,3.9) v1(53.13,53.82) v1(53.13,1.17) v1(54.13,53.82) v1(54.1,8.1) v1(54.1,3.3) v1(54.13,1.17) v1(55.01,5.57) v1(55.13,53.82) v1(55.13,1.17) v1(55.6,3.3) v1(56.13,53.82) v1(56.1,9.3) v1(56.13,1.17) v1(56.7,39.48) v1(57.13,53.82) v1(57.1,9.3) v1(57.13,1.17) v1(57.6,8.1) v1(57.6,3.9) v1(58.13,53.82) v1(58.1,9.3) v1(58.13,1.17) v1(58.6,8.1) v1(58.6,3.9) v1(59.13,53.82) v1(59.1,9.3) v1(59.1,2.7) v1(59.13,1.17) v1(59.6,8.6) v1(59.6,3.9) v1(60.13,53.82) v1(60.1,2.7) v1(60.13,1.17) v1(60.6,3.9) v1(61.13,53.82) v1(61.1,9.3) v1(61.1,2.7) v1(61.13,1.17) v1(61.6,3.9) v1(61.75,34.35) v1(62.13,53.82) v1(62.1,2.7) v1(62.13,1.17) v1(62.6,9.3) v1(62.6,3.9) v1(63.13,53.82) v1(63.13,1.17) v1(64.13,53.82) v1(64.1,2.7) v1(64.13,1.17) v1(65.13,53.82) v1(65.1,9.3) v1(65.1,2.7) v1(65.13,1.17) v1(65.6,3.9) v1(66.13,53.82) v1(66.1,9.3) v1(66.1,2.7) v1(66.13,1.17) v1(66.6,8.1) v1(66.6,3.9) v1(67.06,53.8) v1(67.1,9.3) v1(67.1,2.7) v1(67.13,1.17) v1(67.6,8.1) v1(67.6,3.9) v1(68.06,53.8) v1(68.1,9.3) v1(68.1,2.7) v1(68.1,1.18) v1(69.06,53.8) v1(69.18,1.18) v1(70.06,53.8) v1(70.1,9.3) v1(70.1,2.7) v1(70.13,1.17) v1(71.06,53.8) v1(72.06,53.8) v1(72.13,1.17) v1(72.57,52.32) v1(72.7,9.3) v1(72.8,51.63) v1(73.06,53.8) v1(73.09,12.82) v1(73.09,11.82) v1(73.09,10.82) v1(73.09,9.82) v1(73.09,8.82) v1(73.09,7.82) v1(73.13,1.17) v1(73.57,52.32) v1(74.06,53.8) v1(74.13,1.17) v1(74.38,12.82) v1(74.38,11.82) v1(74.38,10.82) v1(74.38,9.82) v1(74.38,8.82) v1(74.38,7.82) v1(75.18,52.07) v1(75.38,12.82) v1(75.38,11.82) v1(75.38,10.82) v1(75.38,9.82) v1(75.38,8.82) v1(75.38,8) v1(76.28,37.58) v1(76.68,13.82) v1(76.68,12.82) v1(76.68,11.82) v1(76.68,10.82) v1(76.68,9.82) v1(76.68,8.82) v1(77.97,13.82) v1(77.97,12.82) v1(77.97,11.82) v1(77.97,10.82) v1(77.97,9.82) v1(77.97,8.82) v1(79.28,13.82) v1(79.28,12.82) v1(79.28,11.82) v1(79.28,10.82) v1(79.28,9.82) v1(79.28,8.82) v1(80.32,13.82) v1(80.32,12.82) v1(80.32,11.82) v1(80.32,10.82) v1(80.32,9.82) v1(80.32,8.82) v1(80.5,39) v1(80.5,36.5) v1(81.28,14.82) v1(81.28,13.82) v1(81.28,12.82) v1(81.28,11.82) v1(81.28,10.82) v1(81.28,9.82) v1(82.08,16.67) v1(82.75,46.31) v1(82.75,45.51) v1(82.75,44.71) v1(82.75,43.91) v1(82.75,43.11) v1(82.78,42.17) v1(82.78,41.17) v1(82.78,40.17) v1(82.78,39.17) v1(82.78,38.17) v1(82.78,37.17) v1(82.7,36.1) v1(82.7,35) v1(82.7,34) v1(82.7,33.1) v1(82.78,32.13) v1(82.78,31.13) v1(82.78,30.17) v1(82.78,29.17) v1(82.78,28.17) v1(82.78,27.17) v1(82.78,26.17) v1(82.78,25.17) v1(82.78,24.17) v1(82.78,23.17) v1(82.78,22.17) v1(82.78,21.17) v1(82.78,20.17) v1(82.78,19.17) v1(82.75,18.14) v1(82.75,17.14) v1(82.75,16.14) v1(82.75,15.14) v1(82.75,14.14) v1(82.75,13.14) v1(82.75,12.14) v1(82.75,11.14) v1(82.75,10.14) v2(1.95,7.48) v2(2.93,7.48) v2(3.75,41.85) v2(3.9,7.48) v2(4.88,7.48) v2(5.85,7.48) v2(6.35,8.59) v2(6.7,44.72) v2(7.15,6.83) v2(7.15,5.85) v2(7.15,2.28) v2(7.15,1.3) v2(7.86,41.98) v2(7.86,40.93) v2(7.86,39.78) v2(8.13,5.85) v2(8.13,2.28) v2(8.13,1.3) v2(8.32,7.65) v2(8.81,47.13) v2(8.85,45.53) v2(9.11,39.78) v2(9.68,42.15) v2(9.75,5.2) v2(9.75,2.6) v2(10.23,4) v2(13.37,47.4) v2(13.37,46.13) v2(14.64,48.67) v2(14.66,47.38) v2(14.64,46.13) v2(15.6,33.3) v2(15.68,9.81) v2(15.96,34.36) v2(16.03,48.67) v2(16.03,47.4) v2(15.99,36.61) v2(17.39,35.37) v2(18.02,9.3) v2(18.84,36.61) v2(18.84,34.31) v2(21.52,37.28) v2(22.27,47.09) v2(23,47.07) v2(23.08,24.17) v2(23.13,21.12) v2(23.69,47.76) v2(26.23,45.68) v2(26.76,44.92) v2(26.77,44.14) v2(28,47.71) v2(28.04,46.94) v2(28.16,51.14) v2(28.11,50.43) v2(28.42,49.74) v2(28.75,48.21) v2(29,49.36) v2(34.13,44.28) v2(35.66,43.52) v2(35.66,42.88) v2(35.66,41.86) v2(35.66,41.36) v2(36.89,50.72) v2(37.27,51.61) v2(37.27,49.96) v2(37.34,47.88) v2(37.34,46.99) v2(37.85,49.53) v2(37.91,48.26) v2(37.91,47.5) v2(37.91,46.74) v2(43.69,44.7) v2(45.09,43.69) v2(45.09,43.18) v2(45.09,42.16) v2(45.09,41.66) v2(49.91,39.77) v2(58.93,47.19) v2(58.98,46.24) v2(58.98,45.29) v2(58.98,44.34) v2(58.93,43.34) v2(58.98,42.39) v2(58.98,41.44) v2(58.98,40.49) v2(59.48,46.69) v2(59.48,45.79) v2(59.48,44.79) v2(59.48,42.84) v2(59.48,41.94) v2(59.48,40.94) v2(65.31,39.51) v2(66.79,33.17) v2(67.29,33.72) v2(67.33,27.07) v2(67.31,26.65) v2(67.33,26.22) v2(67.31,25.81) v2(67.74,33.22) v2(68.19,33.72) v2(68.69,33.22) v2(68.88,52.17) v2(69.19,33.72) v2(69.33,51.47) v2(69.64,33.22) v2(69.83,52.17) v2(70.03,22.32) v2(70.04,20.97) v2(70.33,51.47) v2(70.62,33.13) v2(70.68,22.25) v2(70.78,52.17) v2(70.83,21.67) v2(71.23,51.47) v2(71.32,33.78) v2(71.33,22.32) v2(71.33,20.97) v2(71.68,33.12) v2(71.73,52.17) v2(71.73,26.22) v2(71.73,25.22) v2(71.73,24.22) v2(71.83,22.92) v2(71.83,21.67) v2(72.13,33.77) v2(72.33,25.72) v2(72.33,24.72) v2(72.33,23.72) v2(72.33,22.32) v2(72.33,20.97) v2(72.63,33.12) v2(73.13,33.77) v2(73.19,37.97) v2(73.58,33.12) v2(73.64,37.97) v2(74.14,37.97) v2(74.25,51.58) v2(75.72,52.83) v2(76.05,53.76) v2(76.45,52.83) v2(76.7,3.9) v2(76.7,1.3) v2(76.87,53.76) v2(76.93,49.93) v2(76.9,48.86) v2(76.9,47.91) v2(78.3,42.07) v2(78.41,47.57) v2(79.26,42.07) v2(79.59,47.57) v2(80.21,42.07) v2(80.94,47.52) v2(81.15,42.07) v2(82.05,47.49) v3(73.8,3.15)
